# Altium PCB Fri3D_Bot_2018_00.PcbDoc
Units mm, origin at the board's own origin, x right, y up, seen from the top; angles counter-clockwise.
Board outline 118.52 x 46.58 mm, 2 copper layers (Top Layer, Bottom Layer), stack 1.571 mm thick; 52 components, 34 nets, 158 pads, 47 vias.
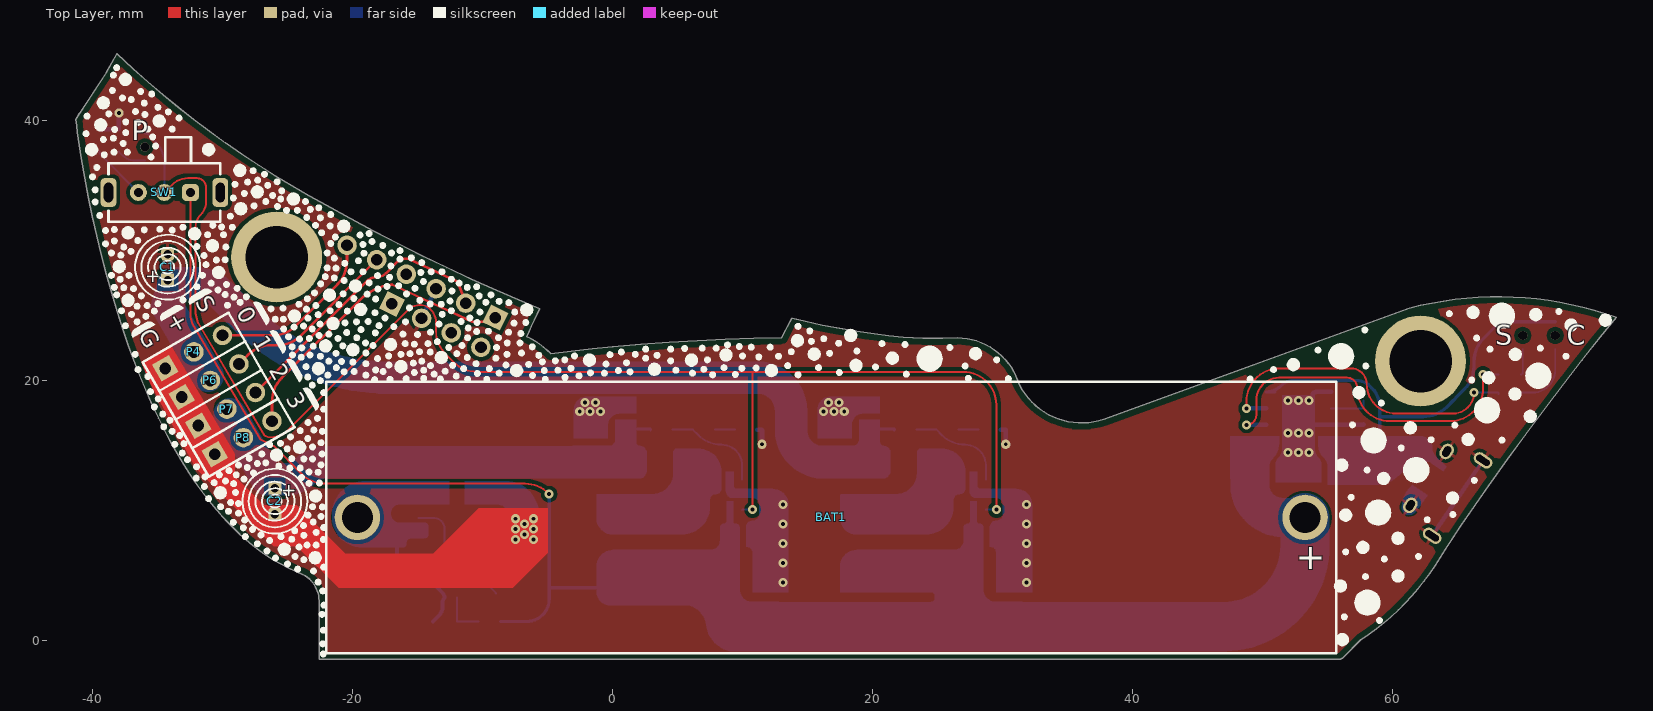
[diagram p0: Top Layer view]
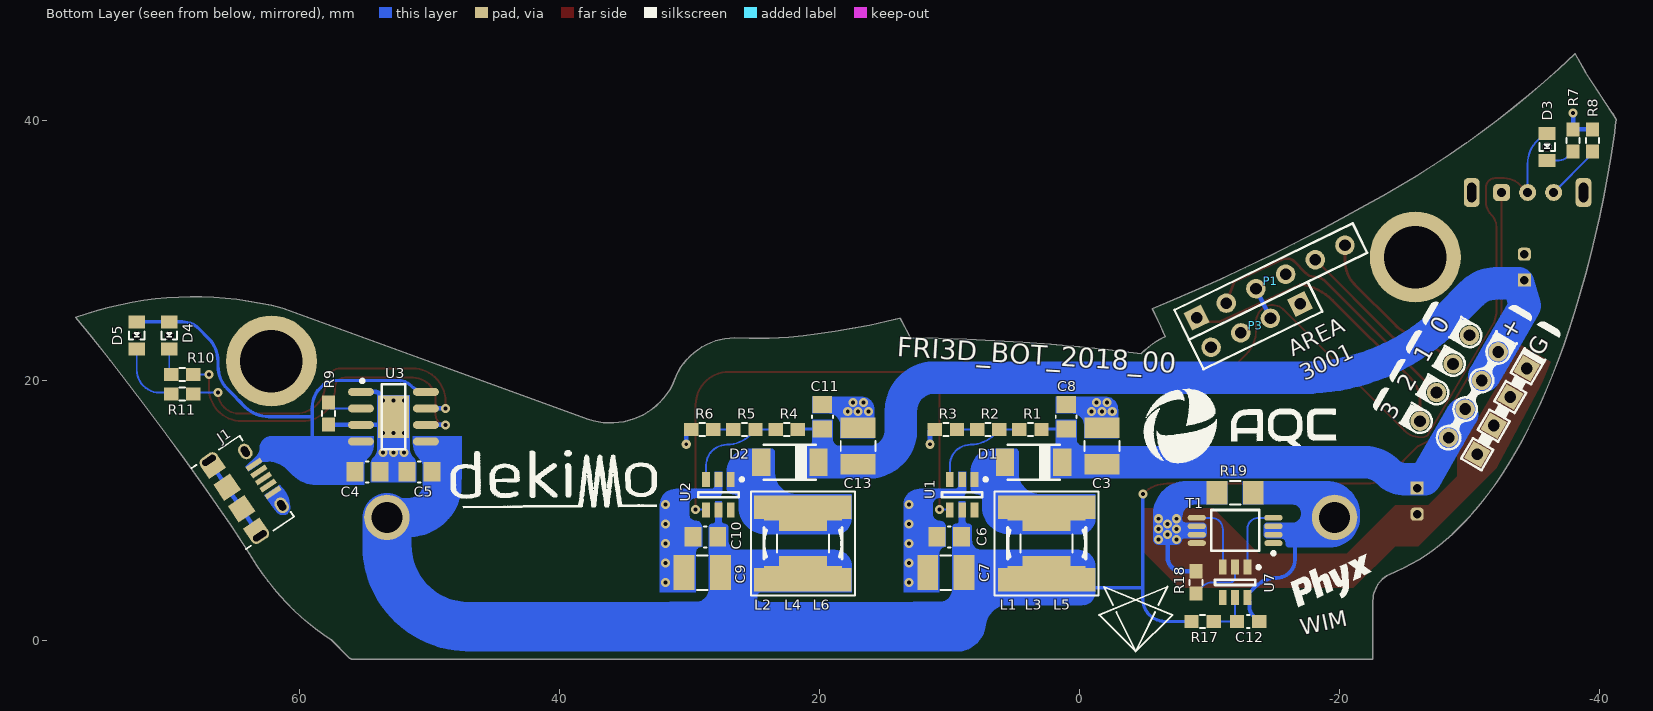
[diagram p1: Bottom Layer view, seen from below]

## Layer stack, top to bottom
Top Solder: solder mask 0.0102, Solder Resist, Dk 3.5
Top Layer: signal copper 0.0356
Dielectric1: core 1.5, FR-4, Dk 4.8
Bottom Layer: signal copper 0.0356
Bottom Solder: solder mask 0.0102, Solder Resist, Dk 3.5

## Board outline
-29.172,8.664 cw(c-11.783,26.088) -32.081,12.161 cw(c-1.757,32.978) -34.957,17.145 cw(c16.004,41.488) -37.654,23.871 cw(c46.959,51.513) -41.119,38.635 cw(c-2.791,44.256) -41.252,39.638 -41.323,40.132 -41.041,40.556 -38.96,43.73 -38.148,45.176 -36.914,44.012 ccw(c14.023,100.405) -22.032,33.512 ccw(c49.651,161.041) -14.671,29.645 ccw(c56.137,173.948) -7.002,26.129 -5.626,25.564 -6.261,24.224 -6.261,24.189 ccw(c3.15,19.485) -6.424,23.848 ccw(c6.212,18.073) -6.614,23.413 cw(c-9.501,17.413) -4.78,22.108 cw(c11.485,-104.937) 0,22.629 cw(c16.581,-160.639) 12.998,23.342 13.28,23.907 13.774,24.824 14.797,24.577 ccw(c29.504,90.84) 20.097,23.619 ccw(c25.928,66.067) 22.353,23.37 ccw(c24.675,50.643) 24.568,23.272 25.379,23.272 26.505,23.312 cw(c26.479,18.347) 31,20.4 ccw(c36.062,22.11) 37.772,17.048 61.264,25.598 cw(c68.093,-0.471) 77.196,24.894 75.961,23.377 ccw(c251.156,-116.184) 73.18,19.813 ccw(c276.316,-136) 67.392,11.961 ccw(c205.621,-85.848) 64.25,7.363 ccw(c89.014,-9.079) 63.842,6.731 63.646,6.419 63.453,6.112 63.263,5.811 cw(c46.965,16.379) 57.544,0.088 56.165,-1.29 cw(c55.9,-1.025) 55.9,-1.4 -22.6,-1.4 -22.6,2.9 ccw(c-24.933,3.046) -23.827,5.106 cw(c-18.2,19.353)

## Design rules (kind name [scope] priority, off if disabled: settings)
BoardOutlineClearance [NOT OnLayer('Top Overlay') AND NOT OnLayer('Bottom Overlay') AND NOT IsText] p1: gap=0.5 ignorepadtopadclearanceinfootprint=FALSE except(0: Arc-SplitContinuation Track-SplitContinuation SMDPad-SplitContinuation THPad-SplitContinuation Via-SplitContinuation Fill-SplitContinuation Poly-SplitContinuation Region-SplitContinuation Text-SplitContinuation)
Clearance Clearance_GND_POLY [InNamedPolygon('B_GND')] p1: gap=0.4 ignorepadtopadclearanceinfootprint=FALSE except(0: Arc-Hole Track-Hole SMDPad-Hole THPad-Hole Via-Hole Fill-Hole Poly-Hole Region-Hole Text-Hole)
Clearance [All] p2: gap=0.15 ignorepadtopadclearanceinfootprint=FALSE except(0: Arc-Hole Track-Hole SMDPad-Hole THPad-Hole Via-Hole Fill-Hole Poly-Hole Region-Hole Text-Hole; 0.3: Arc-Poly Track-Poly SMDPad-Poly THPad-Poly Via-Poly Fill-Poly; 1.1: Poly-Poly)
DiffPairsRouting [All] p1: maxlimit=0.254 minlimit=0.254 mostfreqgap=0.254 toplayer_minwidth=0.381 toplayer_maxwidth=0.381 toplayer_prefwidth=0.381 bottomlayer_minwidth=0.381 bottomlayer_maxwidth=0.381 bottomlayer_prefwidth=0.381 maxuncoupledlength=12.7
HoleSize [All] p1: absolutevalues=TRUE maxlimit=10 minlimit=0.025 maxpercent=80.000 minpercent=20.000
PolygonConnect PolygonConnect_VIA [IsVia] p1: connectstyle=Direct reliefconductorwidth=0.254 reliefentries=4 polygonreliefangle="90 Angle" airgapwidth=0.254
PolygonConnect [All] p2: connectstyle=Relief reliefconductorwidth=0.254 reliefentries=4 polygonreliefangle="90 Angle" airgapwidth=0.254
RoutingVias [All] p1: holewidth=0.3 width=0.7 viastyle="Through Hole" minholewidth=0.3 minwidth=0.2 maxholewidth=0.6 maxwidth=1.2
SilkToSolderMaskClearance SilkscreenOverComponentPads [IsPad] p1: minsilkscreentomaskgap=0.254 clearancetoexposedcopper=TRUE
SolderMaskExpansion [All] p1: expansion=0.05
Width [All] p1: maxlimit=5 minlimit=0.15 preferedwidth=0.25
27 further rules are at their usual default settings.

## Classes and differential pairs
net class 90r: USB.D_n USB.D_p
net class POWER: 3V3_Pi 5V_Pi 5VA 5VB GBAT GND VBAT VUSB
differential pair USB.D: +USB.D_p -USB.D_n

## Components (designator, comment, footprint, x,y, rotation, side; value= is the part's Value field where it differs from the comment)
BAT1 "18650 Battery holder" MPD_BH-18650-PC 16.8,9.5 r0 top locked value=BH-18650-PC
C1 "CAP_POL" C_5x11_2mm -34.25,28.75 r90 top value="100uF 10V"
C2 "CAP_POL" C_5x11_2mm -26,10.75 r270 top value="100uF 10V"
C3 "CAP_CERAMIC" C1210_N -1.75,15 r90 bottom value="22uF 10V"
C4 "CAP_CERAMIC" C0805_N 54.75,13 r180 bottom value="10uF 10V"
C5 "CAP_CERAMIC" C0805_N 50.75,13 r0 bottom value="10uF 10V"
C6 "CAP_CERAMIC" C0805_N 10,8 r0 bottom value="10uF 10V"
C7 "CAP_CERAMIC" C1210_N 10.25,5.25 r0 bottom value="22uF 10V"
C8 "CAP_CERAMIC" C0805_N 1,17.25 r90 bottom value="10uF 10V"
C9 "CAP_CERAMIC" C1210_N 29,5.25 r0 bottom value="22uF 10V"
C10 "CAP_CERAMIC" C0805_N 28.75,8 r0 bottom value="10uF 10V"
C11 "CAP_CERAMIC" C0805_N 19.75,17.25 r90 bottom value="10uF 10V"
C12 "" C0603_N -13,1.5 r180 bottom value="100nF 16V"
C13 "CAP_CERAMIC" C1210_N 17,15 r90 bottom value="22uF 10V"
D1 "TSS83L45 MWG Schottky ULTRAFAST, 3A, 45V" TS_SOD128 3.5,13.75 r180 bottom value="TSS83L45 MWG"
D2 "TSS83L45 MWG Schottky ULTRAFAST, 3A, 45V" TS_SOD128 22.25,13.75 r180 bottom value="TSS83L45 MWG"
D3 "Default 0805 Red LED" LED_0805_RD -36,38 r270 bottom
D4 "Default 0805 Green LED" LED_0805_GR 70,23.5 r270 bottom
D5 "Default 0805 Red LED" LED_0805_RD 72.5,23.5 r270 bottom
J1 "Amphenol FCI 10118194-0001LF Micro USB 1.8A TH Lock" FCI_10118194-0001LF 62.75,12.5 r236 bottom value=10118194-0001LF
L1 "NRS8040T4R7NJGJ" TAI_NRS8040 2.5,7.5 r90 bottom value="4u7H 4A1"
L2 "NRS8040T4R7NJGJ" TAI_NRS8040 21.25,7.5 r90 bottom value="4u7H 4A1"
L3 "VLC6045T-3R3N" IND_6045 2.5,7.5 r90 bottom value=3u3H
L4 "VLC6045T-3R3N" IND_6045 21.25,7.5 r90 bottom value=3u3H
L5 "SWPA4020S4R7MT" SNL_SWPA4020 2.5,7.5 r90 bottom value=4u7H
L6 "SWPA4020S4R7MT" SNL_SWPA4020 21.25,7.5 r90 bottom value=4u7H
P1 "Header 6" HDR1X6 -9.036,24.872 r154 bottom
P3 "Header 4" HDR1X4 -16.998,25.93 r334 bottom
P4 "Header 3" HDR1X3 -34.435,20.966 r30 top
P6 "Header 3" HDR1X3 -33.165,18.767 r30 top
P7 "Header 3" HDR1X3 -31.895,16.567 r30 top
P8 "Header 3" HDR1X3 -30.625,14.367 r30 top
R1 "RESISTOR" R0603_N 3.75,16.25 r0 bottom value=82K
R2 "RESISTOR" R0603_N 7,16.25 r0 bottom value=10K
R3 "RESISTOR" R0603_N 10.25,16.25 r0 bottom value=1K2
R4 "RESISTOR" R0603_N 22.5,16.25 r0 bottom value=82K
R5 "RESISTOR" R0603_N 25.75,16.25 r0 bottom value=10K
R6 "RESISTOR" R0603_N 29,16.25 r0 bottom value=1K2
R7 "RESISTOR" R0603_N -38,38.5 r90 bottom value=1K2
R8 "RESISTOR" R0603_N -39.5,38.5 r90 bottom value=1K2
R9 "RESISTOR" R0603_N 57.75,17.5 r270 bottom value=1K2
R10 "RESISTOR" R0603_N 69,20.5 r180 bottom value=1K2
R11 "RESISTOR" R0603_N 69,19 r180 bottom value=1K2
R17 "RESISTOR" R0603_N -9.5,1.5 r180 bottom value=100R
R18 "RESISTOR" R0603_N -9,4.5 r90 bottom value=1K2
R19 "RESISTOR" R1206 -12,11.4 r0 bottom value=0R
SW1 "mini Switch 1 pole double throw right angle" SK-12D07 -34.5,34.5 r180 top value=SK-12D07
T1 "Dual N-Ch MOSFET Common Drain" TSSOP_8_65P -12,8.5 r0 bottom value=FS8205A
U1 "High Efficiency 1.2MHz 2A Step Up Converter  SX1308" SOT23-6 9,11.25 r270 bottom value=SX1308
U2 "High Efficiency 1.2MHz 2A Step Up Converter  SX1308" SOT23-6 27.75,11.25 r270 bottom value=SX1308
U3 "Single Cell LiIon charger max 1A" SOIC_N_8_TH 52.75,17.25 r180 bottom value=TP4056
U7 "DW01-P single cell lithium protection" SOT23-6 -12,4.5 r270 bottom value=DW01-P

## Footprints (in the part's own frame and the unit in brackets; to place one, negate y for a bottom-side part, rotate by r counter-clockwise, add the part's x,y. Pads: shape width x height; smd on the part's side, far side on the other; paste and mask are expansions set on the pad)
C0603_N [mm] "Low density"
  rect 1.1x1 smd: 1(-0.85,0) 2(0.85,0)
  silkscreen extent -0.1,-0.5 0.1,0.5, body extent -0.8,-0.4 0.8,0.4, height 0.3
C0805_N [mm] "Low density"
  rect 1.3x1.5 smd: 1(-0.95,0) 2(0.95,0)
  silkscreen extent -0.1,-0.8 0.1,0.8, body extent -1,-0.62 1,0.63, height 0.78
C1210_N [mm] "Low density"
  rect 1.6x2.7 smd: 1(-1.4,0) 2(1.4,0)
  silkscreen extent -0.4,-1.34 0.4,1.34, body extent -1.55,-1.25 1.65,1.25, height 1
C_5x11_2mm [mm] "Capacitor, Electrolytic, Radial; Body 5 x 11mm; 2mm pitch"
  rect 1x1 hole 0.65: 1(-1,0)
  rrect50% 1x1 hole 0.65: 2(1,0)
  silkscreen extent -2.5,-2.5 2.5,2.5, body extent -2.5,-2.5 2.5,2.5, height 11
FCI_10118194-0001LF [mm]
  rect 0.4x1.35 smd: 1(-1.3,0) 2(-0.65,0) 3(0,0) 4(0.65,0) 5(1.3,0)
  oval 0.9x1.55 hole 0.5 slot 1.15 at 90 deg: MH1(-3.5,-2.7) MH2(3.5,-2.7)
  rect 1.2x1.55 smd: MH1(-2.9,-2.7) MH2(2.9,-2.7)
  oval 1.25x0.95 hole 0.55 slot 0.85 at 0 deg: MH3(-2.5,0) MH4(2.5,0)
  rect 1.5x1.55 smd: MH3(-1,-2.7) MH4(1,-2.7)
  silkscreen extent -3.75,-4.15 3.75,0.3, body extent -4.03,-5.4 4.02,0.18, height 2.77
HDR1X3 [mm] "Connector; Header; 3 Position"
  rect 1.5x1.5 hole 0.9: 1(0,0)
  round 1.5 hole 0.9: 2(2.54,0) 3(5.08,0)
  silkscreen extent -1.27,-1.27 6.35,1.27, body extent -1.27,-1.23 6.35,1.27, height 8.2
HDR1X4 [mm] "Connector; Header; 4 Position"
  rect 1.5x1.5 hole 0.9: 1(0,0)
  round 1.5 hole 0.9: 2(2.54,0) 3(5.08,0) 4(7.62,0)
  silkscreen extent -1.27,-1.27 8.89,1.27, body extent -1.27,-1.23 8.89,1.27, height 8.2
HDR1X6 [mm] "Connector; Header; 6 Position"
  rect 1.5x1.5 hole 0.9: 1(0,0)
  round 1.5 hole 0.9: 2(2.54,0) 3(5.08,0) 4(7.62,0) 5(10.16,0) 6(12.7,0)
  silkscreen extent -1.27,-1.27 13.97,1.27, body extent -1.27,-1.23 13.97,1.27, height 8.2
IND_6045 [mm] "TDK 6x6mm Inductor 4.5mm height"
  rect 1.2x6 smd: 1(-2.35,0) 2(2.35,0)
  Top Layer region: 0.7,2.1 1.6,3 3.2,3 3.2,-3 1.6,-3 0.7,-2.1
  Top Layer region: -0.7,2.1 -1.6,3 -3.2,3 -3.2,-3 -1.6,-3 -0.7,-2.1
  silkscreen extent -1.2,-3 1.2,3, body extent -3,-3 3,3, height 4.5
LED_0805_GR [mm] "0805 LED GREEN"
  rect 1x1.3 smd: 1(-1.05,0) 2(1.05,0)
  silkscreen extent -0.3,-0.6 0.3,0.6, body extent -1.01,-0.62 1.01,0.63, height 1.1
LED_0805_RD [mm] "0805 LED RED"
  rect 1x1.3 smd: 1(-1.05,0) 2(1.05,0)
  silkscreen extent -0.3,-0.6 0.3,0.6, body extent -1.01,-0.62 1.01,0.63, height 1.1
MPD_BH-18650-PC [mm] "Battery holder for a single 18650 cell"
  round 3.5 hole 2.4: 1(36.45,0) 2(-36.45,0)
  silkscreen extent -38.85,-10.45 38.85,10.45, body extent -39.01,-10.4 38.64,10.4, height 23.37
R0603_N [mm] "Low density"
  rect 1.1x1 smd: 1(-0.85,0) 2(0.85,0)
  silkscreen extent -0.2,-0.5 0.2,0.5, body extent -0.8,-0.41 0.8,0.41, height 0.45
R1206 [mm]
  rect 1.6x1.8 smd: 1(-1.4,0) 2(1.4,0)
  silkscreen extent -0.4,-0.89 0.4,0.89, body extent -1.6,-0.8 1.6,0.8, height 1
SK-12D07 [mm] "SWITCH, SPDT, THT, RA"
  rrect50% 1.2x2.2 hole 0.7 slot 1.5 at 90 deg: 0(-4.3,0) 0(4.3,0)
  rrect50% 1.3x1.3 hole 0.7: 1(-2,0)
  round 1.3 hole 0.7: 2(0,0) 3(2,0)
  silkscreen extent -4.3,-4.25 4.3,2.25, body extent -4.3,-4.25 4.3,2.25, height 4.7
SNL_SWPA4020 [mm] "Sunlord SWPA4020 4x4x2mm inductor"
  rect 1.1x3.7 smd: 1(-1.5,0) 2(1.5,0)
  silkscreen extent -0.7,-2 0.7,2, body extent -2,-2 2,2, height 2.05
SOIC_N_8_TH [mm] "150 mil body width with Exposed Thermal Pad"
  oval 2x0.6 smd: 1(-2.5,1.905) 2(-2.5,0.635) 3(-2.5,-0.635) 4(-2.5,-1.905) 5(2.5,-1.905) 6(2.5,-0.635) 7(2.5,0.635) 8(2.5,1.905)
  rect 2.41x3.3 smd: 9(0,0)
  silkscreen extent -2.53,-2.5 0.9,2.88, body extent -3,-2.45 3,2.45, height 1.75
SOT23-6 [mm] "SOT23, 6-Leads, Body 3,1x3,2mm (max), Pitch 0,95mm, IPC Medium Density"
  rect 1.15x0.6 smd: 1(-1.175,0.95) 2(-1.175,0) 3(-1.175,-0.95) 4(1.175,-0.95) 5(1.175,0) 6(1.175,0.95)
  silkscreen extent -1.3,-1.55 0.2,1.92, body extent -1.5,-1.55 1.5,1.55, height 1.4
TAI_NRS8040 [mm] "Taiyo Yuden 8x8mm Inductor 4mm height - NRS8040 Series"
  rect 1.8x7.5 smd: 1(-2.8,0) 2(2.8,0)
  silkscreen extent -4,-4 4,4, body extent -4,-4 4,4, height 4.25
TS_SOD128 [mm] "SOD128 Taiwan Semiconductor"
  rect 1.4x2.1 smd: 1(2.2,0) 2(-2.2,0)
  silkscreen extent -2,-1.35 2,1.45, body extent -2.6,-1.3 2.6,1.3, height 2.3
TSSOP_8_65P [mm] "TSOP, 8-Leads, Body 3,00x4,40mm, Pitch 0,65mm,  IPC Medium Density"
  oval 1.4x0.45 smd: 1(-2.95,0.975) 2(-2.95,0.325) 3(-2.95,-0.325) 4(-2.95,-0.975) 5(2.95,-0.975) 6(2.95,-0.325) 7(2.95,0.325) 8(2.95,0.975)
  silkscreen extent -3.07,-1.57 1.85,1.87, body extent -3.2,-1.5 3.2,1.5, height 1.2

## Part data
BAT1: library part "18650 Battery holder BH-18650-PC", "=Description", Supplier 1=Digikey
C1 C2: library part "CAP 100uF 10V 5x11mm", "Capacitor electrolyt", Supplier Part Number 1=1902882, Supplier 1=Farnell
C3 C7 C9 C13: library part "CAP # 22uF 10V 1210 X5R", "Capacitor Ceramic"
C4 C5 C6 C8 C10 C11: library part "CAP # 10uF 10V 0805", "Capacitor Ceramic", Supplier Part Number 1=2320859, Supplier 1=Farnell
C12: library part "CAP # 100nF 16V 0603", "Capacitor Ceramic"
D1 D2: library part "Schottky # TSS83L45MWG 3A 45V", "=Description", Supplier Part Number 1=TSS83L45MWGCT-ND, Supplier 1=Digi-key
D3 D5: library part "LED # Red 0805", "=Description", Supplier Part Number 1=2099236, Supplier 1=Farnell
D4: library part "LED # Green 0805", "=Description", Supplier Part Number 1=2099239, Supplier 1=Farnell
J1: library part "USB # Micro B TH Amphenol 10118194-0001LF", Supplier Part Number 1=2668482, Supplier 1=Farnell, Supplier 2=Digi-key, Supplier Part Number 2=609-4618-2-ND
L1 L2: library part "IND # 4u7H 4A1 NRS8040T4R7NJGJ", Supplier Part Number 1=587-2978-1-ND, Supplier 1=Digi-key
L3 L4: library part "IND # 3u3H 6x6mm", Supplier Part Number 1=445-6536-1-ND, Supplier 1=Digi-key
L5 L6: library part "IND # 4u7H SWPA4020", Supplier 1=China, Supplier Part Number 1=SWPA4020S4R7MT
P1: library part "Pin Header 2.54mm 6way"
P3: library part "Pin Header 2.54mm 4way"
P4 P6 P7 P8: library part "Pin Header 2.54mm 3way"
R1 R4: library part "RES # 82K 0603"
R2 R5: library part "RES # 10K 0603", Supplier Part Number 1=2502397, Supplier 1=Farnell
R3 R6 R7 R8 R9 R10 R11 R18: library part "RES # 1K2 0603"
R17: library part "RES # 100R 0603"
R19: library part "RES # 0R 1206"
SW1: library part "SW 1P2T micro RA SK-12D07", Supplier Part Number 1=SK-12D07, Supplier 1=AliExpress
T1: library part "FS8205A Dual N-Ch common Drain for DW01-P", "=Description", Supplier Part Number 1=FS8205A, Supplier 1=AliExpress
U1 U2: library part "PWR # Boost SX1308", "=Description"
U3: library part "CHG # TP4056 LiIon 1A", "=Description", Supplier Part Number 1=TP4056, Supplier 1=Aliexpress
U7: library part "PWR # DW01-P Lithium protection", "=Description", Supplier Part Number 1=DW01-P, Supplier 1=Aliexpress

## Free pads (board coordinates)
  round 0.7 hole 0.7 unplated: 0(-36,38) 0(70,23.5) 0(72.5,23.5)
  round 7 hole 4.8: 0(-25.859,29.528) 0(62.141,21.528)

## Via types
v1: diameter 0.7, hole 0.3, Top Layer to Bottom Layer, 47 vias

## Nets (pads, with @x,y where several pads share a name; then routed paths per layer and width w, separated by ;. In a path a pad name is that pad's centre, name@x,y a point inside that pad or via, vN(x,y) a via of type N, cw(c..) or ccw(c..) an arc to the next point about the centre after c; other vN are vias at no path point)
3V3_AUX: P3.1
5V_EN: D3.1 SW1.2 U1.4 U2.4 | length 115.2
  Top Layer w0.15: SW1.2 -33.895,35.105 cw(c-32.7,33.91) -32.7,35.6 -32,35.6 cw(c-32,34.9) -31.3,34.9 -31.3,33.766 cw(c-32.666,33.766) -31.7,32.8 ccw(c-30.734,31.834) -32.1,31.834 -32.1,25.2 -31.903,24.452 -26.8,15.8 -26.514,15.67 -26.28,15.67 ccw(c-26.28,17.48) -25,16.2 -15.691,25.509 cw(c-14.9,24.718) -14.9,25.837 -14.776,25.837 cw(c-14.776,24.824) -14.06,25.54 -14.01,25.49 cw(c-15,24.5) -13.6,24.5 -13.6,23.852 ccw(c-11.06,23.852) -12.856,22.056 -12.244,21.444 ccw(c-10.448,23.24) -10.448,20.7 10.75,20.7 ; v1(10.75,10.1) 10.75,20.7 ; v1(29.5,10.1) 29.5,18.16 ccw(c26.96,18.16) 26.96,20.7 10.75,20.7
  Bottom Layer w0.15: D3.1 cw(c-36,38.567) -35.659,38.909 -35.244,38.494 cw(c-37.04,36.698) -34.5,36.698 SW1.2 ; U1.4 cw(c9.975,10.075) 9.975,10.1 v1(10.75,10.1) ; U2.4 cw(c28.725,10.075) 28.725,10.1 v1(29.5,10.1)
5VA: C2.1 C3.1 C8.1 D1.1 P7.2 P8.2 R1.1 | length 36
  Bottom Layer w0.25: C8.1 R1.1@2.85,16.3 ; R1.1@2.85,16.3 cw(c2.85,16.25) R1.1 ccw(c2.85,16.25) R1.1@2.85,16.3
  Bottom Layer w2.5: P7.2@-29.457,17.425 P8.2 -26.586,12.451 -25,12.451 ccw(c-25,14.142) -23.804,12.946 -23.744,13.006 cw(c-21.948,11.21) -21.948,13.75 D1.1
5VB: C1.1 C11.1 C13.1 D2.1 P4.2 P6.2 R4.1 | length 70.3
  Bottom Layer w0.25: C11.1 21.6,16.3 cw(c21.6,16.25) R4.1
  Bottom Layer w2.5: P6.2@-31.182,20.411 P4.2 -34.295,25.803 -33.8,27.5 -32.041,27.5 cw(c-32.041,24.96) -30.245,26.756 -28.383,24.894 ccw(c-17.172,36.104) -17.172,20.25 11.172,20.25 cw(c11.172,17.71) 13.712,17.71 13.712,16.212 ccw(c16.175,16.212) 16.175,13.75 D2.1
GBAT: BAT1.2 C12.2 R19.1 T1.2 T1.3 U7.6 | length 10.9
  Bottom Layer w0.3: T1.3 -15.317,8.825 ccw(c-15.317,7.538) -16.603,7.538 -16.603,6.253 ccw(c-15.2,6.253) -15.2,4.85 cw(c-15.2,2.557) -13.578,4.178 -13.109,3.709 cw(c-13.493,3.325) U7.6 ccw(c-12.588,2.963) -13.1,2.963 -13.1,2.6 cw(c-13.945,2.6) -13.348,2.002 C12.2
GND: C1.2 C2.2 C3.2 C4.2 C5.2 C6.2 C7.2 C8.2 C9.2 C10.2 C11.2 C13.2 J1.5 J1.MH1 J1.MH2 J1.MH3 J1.MH4 P1.3 P3.2 P4.1 P6.1 P7.1 P8.1 R3.2 R6.2 R7.2 R8.2 R9.2 R18.2 R19.2 T1.6 T1.7 U1.2 U2.2 U3.1 U3.3 U3.9 | length 27.7
  Bottom Layer w0.35: R8.2 R7.2 v1(-38,40.6) ; P3.2 P1.3 ; R18.2 -7.894,5.35 ccw(c-7.894,6.444) -6.8,6.444 v1(-6.8,8.2) ; R3.2 11.45,16.25 11.475,16.225 v1(11.475,15.133) ; R6.2 30.225,16.25 v1(30.225,15.133) ; U3.1 54.105,19.155 ccw(c54.105,18.875) 53.825,18.875 53.825,18.325 cw(c52.75,18.325) U3.9 53.385,16.615 U3.3 57.715,16.615 R9.2 ; J1.MH2@63.367,8.586 64.429,10.161 65.548,11.819 J1.MH1@66.61,13.394
  other v1: 13.075,4.5 31.825,4.5 13.075,6 31.825,6 13.075,7.5 31.825,7.5 -7.5,7.8 -6.1,7.8 -7.5,8.6 -6.1,8.6 -6.8,9 13.075,9 31.825,9 -7.5,9.4 -6.1,9.4 13.075,10.5 31.825,10.5 51.95,14.5 52.75,14.5 53.55,14.5 51.95,16 52.75,16 53.55,16 -2.55,17.65 -1.75,17.65 -0.95,17.65 16.2,17.65 17,17.65 17.8,17.65 -2.15,18.35 -1.35,18.35 16.6,18.35 17.4,18.35 51.95,18.5 52.75,18.5 53.55,18.5
I2C.SCL: P3.4
I2C.SDA: P3.3
NetC12_1: C12.1 R17.2 U7.5 | length 3.5
  Bottom Layer w0.15: U7.5 -12,1.5 R17.2
NetD1_2: D1.2 L1.2 L3.2 L5.2 U1.1
NetD2_2: D2.2 L2.2 L4.2 L6.2 U2.1
NetD3_2: D3.2 R7.1 | length 2.2
  Bottom Layer w0.15: R7.1 -37.689,37.339 ccw(c-36.75,38.277) -36.75,36.95 D3.2
NetD4_2: D4.2 R10.1 | length 2
  Bottom Layer w0.15: R10.1 ccw(c69.85,20.65) 70,20.65 D4.2
NetD5_2: D5.2 R11.1 | length 5.3
  Bottom Layer w0.15: R11.1 cw(c69.957,19) 69.957,19.107 70.75,19.107 ccw(c70.75,20.857) 72.5,20.857 D5.2
NetR1_2: R1.2 R2.1 U1.3 | length 7.7
  Bottom Layer w0.15: R1.2 R2.1 6.556,15.844 ccw(c8.352,17.64) 8.352,15.1 cw(c8.352,13.502) 9.95,13.502 U1.3
NetR2_2: R2.2 R3.1 | length 1.5
  Bottom Layer w0.15: R2.2 R3.1
NetR4_2: R4.2 R5.1 U2.3 | length 7.7
  Bottom Layer w0.15: R4.2 R5.1 25.306,15.844 ccw(c27.102,17.64) 27.102,15.1 cw(c27.102,13.502) 28.7,13.502 U2.3
NetR5_2: R5.2 R6.1 | length 1.5
  Bottom Layer w0.15: R5.2 R6.1
NetR8_1: R8.1 SW1.3 | length 4.4
  Bottom Layer w0.15: R8.1 ccw(c-39.137,37.65) R8.1@-39.394,37.394 ; R8.1@-39.394,37.394 SW1.3
NetR9_1: R9.1 U3.2 | length 3
  Bottom Layer w0.15: U3.2 57.635,17.885 57.75,18 R9.1@57.75,18.5
NetR10_2: R10.2 U3.6 | length 27.9
  Top Layer w0.15: v1(48.75,16.615) ccw(c48.75,17.365) 49.5,17.365 49.5,18.5 cw(c51.25,18.5) 51.25,20.25 56.5,20.25 cw(c56.5,19.5) 57.25,19.5 57.25,19.447 ccw(c59.79,19.447) 59.79,16.907 64.406,16.907 ccw(c64.406,19.447) 66.946,19.447 v1(66.946,20.5)
  Bottom Layer w0.15: v1(66.946,20.5) R10.2
  Bottom Layer w0.35: v1(48.75,16.615) U3.6
NetR11_2: R11.2 U3.7 | length 25.8
  Top Layer w0.15: v1(48.75,17.885) 48.75,18.426 cw(c51.29,18.426) 51.29,20.966 56.784,20.966 cw(c56.784,19.75) 58,19.75 ccw(c60.25,19.75) 60.25,17.5 64.643,17.5 ccw(c64.643,19.107) v1(66.25,19.107)
  Bottom Layer w0.15: v1(66.25,19.107) 68.043,19.107 cw(c68.043,19) R11.2
  Bottom Layer w0.35: v1(48.75,17.885) U3.7
NetR18_1: R18.1 U7.2 | length 4.3
  Bottom Layer w0.15: U7.2 -12,4.9 ccw(c-11.6,4.9) -11.6,4.5 -10.224,4.5 cw(c-10.224,3.476) -9.5,4.2 -9.035,3.735 cw(c-9.12,3.65) R18.1
NetT1_4: T1.4 U7.1 | length 5.4
  Bottom Layer w0.15: T1.4 -13.8,9.475 cw(c-13.8,8.625) -12.95,8.625 U7.1
NetT1_5: T1.5 U7.3 | length 5.4
  Bottom Layer w0.15: U7.3 -11.05,8.6 cw(c-10.175,8.6) -10.175,9.475 T1.5
PWM.0: P1.6 P4.3 | length 13.6
  Top Layer w0.2: P4.3 -26.173,23.506 ccw(c-26.173,26.046) -24.501,24.134 ccw(c-26.173,26.046) -24.377,24.25 -21.195,27.432 ccw(c-22.991,29.228) -21.079,27.556 ccw(c-22.991,29.228) -20.451,29.228 P1.6
PWM.1: P1.5 P6.3 | length 13.7
  Top Layer w0.2: P6.3 -28.066,22.006 cw(c-26.27,20.21) -26.27,22.75 -25.796,22.75 ccw(c-25.796,25.29) -24,23.494 P1.5
PWM.2: P1.2 P7.3 | length 21.9
  Top Layer w0.2: P7.3 -18.924,27.678 cw(c-18.148,26.902) -18.148,28 ccw(c-18.148,28.961) -17.469,28.281 -16.527,29.223 cw(c-16.1,28.796) -16.1,29.4 -15.741,29.4 -11.929,27.641 P1.2
PWM.3: P1.1 P8.3 | length 23.5
  Top Layer w0.2: P8.3 -26.226,18.422 cw(c-23.686,18.422) -25.482,20.218 -19.506,26.194 cw(c-16.471,23.16) -16.993,27.419 -10.815,24.568 -9.77,24.568 ccw(c-9.77,25.606) P1.1
USB.D_n: J1.2
USB.D_p: J1.3
VBAT: BAT1.1 C5.1 C6.1 C7.1 C9.1 C10.1 L1.1 L2.1 L3.1 L4.1 L5.1 L6.1 R17.1 SW1.1 U1.5 U2.5 U3.5 | length 127.1
  Top Layer w0.15: SW1.1 -32.5,24.9 -32.336,24.379 -27.1,15.5 -26.1,15 -23.944,12.844 ccw(c-22.148,14.64) -22.148,12.1 -6.752,12.1 cw(c-6.752,9.56) -4.956,11.356 v1(-4.9,11.3)
  Bottom Layer w0.25: R17.1 -6.621,1.5 ccw(c-6.621,3.221) -4.9,3.221 -4.9,4.1 ; v1(-4.9,11.3) -4.9,4.1 ; C7.1 cw(c7.7,5.25) 7.7,4.1 -4.9,4.1
  Bottom Layer w3: 49,14.25 49,12.04 ccw(c51.54,12.04) 51.54,9.5 BAT1.1
  Bottom Layer w3.8: 11.04,1.1 47,1.1 ccw(c47,7.35) 53.25,7.35 BAT1.1
VSYS: P1.4
VUSB: C4.1 D4.1 D5.1 J1.1 U3.4 U3.8 | length 35.7
  Bottom Layer w0.25: U3.8@50.923,19.155 U3.8 ccw(c50.25,20.779) 51.398,19.63 ; 51.398,19.631 cw(c52.378,18.65) 52.378,20.037 57.203,20.037 cw(c57.203,18.556) 58.25,19.603 ; U3.4 59,15.345 59,17.25 ; 64.647,18.5 64.141,17.994 ; D5.1 D4.1 69,24.55 ccw(c69,22.729) 67.712,24.017 66.994,23.298 ccw(c68.79,21.502) 66.25,21.502 66.25,21.155 cw(c63.71,21.155) 65.941,19.941 cw(c63.71,21.155) 65.506,19.359 64.141,17.994 ; 58.25,19.603 58.397,19.456 ; 58.25,19.603 58.397,19.456 ; 58.397,19.456 cw(c56.941,18) 59,18 59,17.25 ; 59,17.25 62.345,17.25 ccw(c62.345,19.79) 64.141,17.994
pads on no net: J1.4 SW1.0 T1.1 T1.8 U1.6 U2.6 U7.4

## Polygon pours and split planes (outlines as drawn)
GND on Top Layer "GND_L01_P000" (solid, remove dead copper, pour order 0): -43,46 -43,-2 79,-2 79,27 -6.444,27 -25.444,46

## Keep-outs
Keep-Out Layer:
  text ".Layer_Name" at 275.5,-49 h3.5

## Other copper
Top Layer:
  region net GND: -34,22.744 -29.1,14.4 -29.1,12.66 -26.867,10.427 -24.3,10.427 -20.573,6.7 -13.8,6.7 -10.3,10.2 -5,10.2 -5,6.8 -7.7,4.1 -21.1,4.1 -24.3,7.3 -26.1,7.3 -32.1,13.3 -35.586,19.813 -36.275,21.488
  region: -11.2,15.3
  text ".Layer_Name" at 275.5,-49 h3.5
Bottom Layer:
  region net VBAT: 24.5,3.75 cw(c24.5,3.5) 24.75,3.5 24.75,3.25 cw(c24.5,3.25) 24.5,3 24.5,2.75 25.25,2.75 25.25,4 24.5,4
  region net VBAT: 17.5,3.75 25,3.75 25,-0.8 31.5,-0.8 31.5,3 29.5,3 cw(c29.5,4) 28.5,4 28.5,5 17.5,5
  region net VBAT: -1.25,3.75 ccw(c-0.25,3.75) -0.25,2.75 5.461,2.75 cw(c5.461,1) 7.211,1 ccw(c9.547,1.536) 9.011,-0.8 12.75,-0.8 12.75,3 10.75,3 cw(c10.75,4) 9.75,4 9.75,5 -1.25,5
  region net 5VB: 18.95,17 18.95,15.543 cw(c18.407,15.543) 18.407,15 15.65,15 15.65,12.5 20.769,12.5 ccw(c20.769,13.081) 21.35,13.081 21.35,14.5 ccw(c20.85,14.5) 20.85,15 cw(c20.85,15.3) 20.55,15.3 20.55,17
  region net 5VA: 0.2,17 0.2,15.543 cw(c-0.343,15.543) -0.343,15 -3.1,15 -3.1,12.5 2.019,12.5 ccw(c2.019,13.081) 2.6,13.081 2.6,14.5 ccw(c2.1,14.5) 2.1,15 cw(c2.1,15.3) 1.8,15.3 1.8,17
  region net GND: 20.55,18.8 16.749,18.8 ccw(c16.749,17.801) 15.75,17.801 15.75,15.6 18.375,15.6 18.375,16.625 cw(c19.3,16.575) 19.35,17.5 20.55,17.5
  region net GND: 1.8,18.8 -2.001,18.8 ccw(c-2.001,17.801) -3,17.801 -3,15.6 -0.375,15.6 -0.375,16.625 cw(c0.55,16.575) 0.6,17.5 1.8,17.5
  region net GND: 10.75,3.75 10.75,6.75 ccw(c10.25,6.75) 10.25,7.25 10.25,8.75 cw(c10.75,8.75) 10.75,9.25 ccw(c10.75,9.75) 11.25,9.75 11.25,10.5 ccw(c10.75,10.5) 10.75,11 9.2,11 cw(c9.2,11.5) 8.7,11.5 8.7,13 9.303,13 9.303,11.947 ccw(c9.523,11.92) 9.496,11.7 12.3,11.7 cw(c12.3,10.5) 13.5,10.5 13.5,3.75
  region net VBAT: -1.25,3.75 -1.25,5.75 cw(c0,5.75) 0,7 7.5,7 ccw(c7.5,7.75) 8.25,7.75 8.25,8.75 cw(c8.5,8.75) 8.5,9 ccw(c8.5,9.25) 8.75,9.25 8.75,10.75 9.25,10.75 9.25,9.25 ccw(c9.5,9.25) 9.5,9 cw(c9.5,8.75) 9.75,8.75 9.75,3.75
  region net NetD1_2: 8.358,12.8 8.358,12.992 ccw(c6.55,12.992) 6.55,14.8 4.95,14.8 ccw(c4.95,14.5) 4.65,14.5 4.65,12.9 cw(c3.05,12.9) 3.05,11.3 -1.15,11.3 ccw(c-1.15,11.2) -1.25,11.2 -1.25,9.4 ccw(c-0.05,9.4) -0.05,8.2 5.35,8.2 ccw(c5.35,10.3) 7.45,10.3 7.45,10.8 cw(c7.95,10.8) 7.95,11.3 ccw(c7.95,11.7) 8.35,11.7 8.35,11.8
  region net NetD2_2: 27.108,12.8 27.108,12.992 ccw(c25.3,12.992) 25.3,14.8 23.7,14.8 ccw(c23.7,14.5) 23.4,14.5 23.4,12.9 cw(c21.8,12.9) 21.8,11.3 17.6,11.3 ccw(c17.6,11.2) 17.5,11.2 17.5,9.4 ccw(c18.7,9.4) 18.7,8.2 24.1,8.2 ccw(c24.1,10.3) 26.2,10.3 26.2,10.8 cw(c26.7,10.8) 26.7,11.3 ccw(c26.7,11.7) 27.1,11.7 27.1,11.8
  region net GND: -11.4,12.3 -8.24,12.3 cw(c-8.24,9.76) -5.7,9.76 -5.7,9.259 ccw(c-5.881,9.259) -5.881,9.44 -7.9,9.44 ccw(c-8.961,9.44) -8.961,10.501 -11.4,10.501
  region net GBAT: -12.6,10.5 -16.4,10.5 ccw(c-16.4,9.8) -17.1,9.8 -18.653,9.8 -18.792,9.76 -21.6,9.76 cw(c-19.06,9.76) -19.06,12.3 -12.6,12.3
  region net GND: 29.5,3.75 29.5,6.75 ccw(c29,6.75) 29,7.25 29,8.75 cw(c29.5,8.75) 29.5,9.25 ccw(c29.5,9.75) 30,9.75 30,10.5 ccw(c29.5,10.5) 29.5,11 27.95,11 cw(c27.95,11.5) 27.45,11.5 27.45,13 28.053,13 28.053,11.947 ccw(c28.273,11.92) 28.246,11.7 31.05,11.7 cw(c31.05,10.5) 32.25,10.5 32.25,3.75
  region net VBAT: 17.5,3.75 17.5,5.75 cw(c18.75,5.75) 18.75,7 26.25,7 ccw(c26.25,7.75) 27,7.75 27,8.75 cw(c27.25,8.75) 27.25,9 ccw(c27.25,9.25) 27.5,9.25 27.5,10.75 28,10.75 28,9.25 ccw(c28.25,9.25) 28.25,9 cw(c28.25,8.75) 28.5,8.75 28.5,3.75
  region net GND: 51,12.2 51,13.617 cw(c51.683,13.617) 51.2,14.1 ccw(c50.476,14.824) 51.5,14.824 51.5,18.9 54,18.9 54,14.811 ccw(c55.008,14.818) 54.3,14.1 cw(c53.817,13.617) 54.5,13.617 54.5,12.2
  region net GND: -9.5,9.1 ccw(c-9.5,8.8) -9.8,8.8 -9.8,8.2 ccw(c-9.5,8.2) -9.5,7.9 -8.1,7.9 cw(c-8.1,7.682) -7.882,7.682 ccw(c-7.5,7.8) -7.5,7.4 -6.1,7.4 ccw(c-6.1,7.8) -5.7,7.8 -5.7,9.4 ccw(c-6.1,9.4) -6.1,9.8 -7.5,9.8 ccw(c-7.5,9.4) -7.9,9.4 cw(c-8.2,9.4) -8.2,9.1 -8.4,9.1
  region net GBAT: -14.475,9.1 cw(c-14.475,8.825) -14.2,8.825 -14.2,8.2 cw(c-14.5,8.2) -14.5,7.9 -15.5,7.9 ccw(c-15.493,7.508) -15.885,7.5 cw(c-16.155,7.47) -16.125,7.2 -19.3,7.2 cw(c-19.3,9.5) -21.6,9.5 cw(c-19.678,9.5) -19.678,11.422 -18.722,11.422 cw(c-18.722,9.8) -17.1,9.8 ccw(c-16.4,9.8) -16.4,9.1
  region net GND: 62.7,11.2 61.5,12 61.336,11.836 ccw(c62.873,10.3) 60.7,10.3 60.7,10.283 ccw(c61.383,10.283) 60.9,9.8 ccw(c61.141,10.041) 61.141,9.7 61.3,9.7 ccw(c61.3,10.183) 61.641,9.841 61.9,10.1
  region net VUSB: 54.25,15.207 ccw(c55.957,15.207) 54.75,14 cw(c54.146,13.396) 55,13.396 55,12 57,12 58.698,12 ccw(c58.698,14.54) 60.494,12.744 60.956,13.206 cw(c62.387,11.776) 62.387,13.799 62.627,13.799 cw(c62.627,13.271) 63,13.644 63.9,13.039 64.148,13.396 63.286,14.258 cw(c63.902,14.874) 63.031,14.874 ccw(c62.155,14.874) 62.155,15.75 57.246,15.75 ccw(c57.244,15.244) 57.244,15.75 54.25,15.75
  region net VBAT: 51.25,15.75 51.25,15.207 cw(c49.543,15.207) 50.75,14 ccw(c51.353,13.396) 50.5,13.396 50.5,12 48,12 cw(c48,12.5) 47.5,12.5 47.5,15.75
  region: 17.5,3.75
  text ".Layer_Name" at 275.5,-49 h3.5

## Silkscreen, mask and mechanical layers (free items; w line width, h text height)
Top Overlay:
  drawing of 595 lines, arcs and shapes, not listed
  text "P" at -37.025,38 h2.6
  text "S" at -32.552,25.864 h2.2 r300
  text "0" at -29.41,25.022 h2.2 r300
  text "+" at -34.752,24.594 h2.2 r300
  text "G" at -36.951,23.324 h2.2 r300
  text "1" at -28.14,22.823 h2.2 r300
  text "S" at 67.875,22.3 h2.6
  text "C" at 73.375,22.3 h2.6
  text "2" at -26.87,20.623 h2.2 r300
  text "3" at -25.6,18.423 h2.2 r300
  text ".Layer_Name" at 275.5,-49 h3.5
Bottom Overlay:
  drawing of 123 lines, arcs and shapes, not listed
  text "0" at -28.41,23.29 h2.2 r300
  text "+" at -33.752,22.862 h2.2 r300
  text "G" at -35.951,21.592 h2.2 r300
  text "FRI3D_BOT_2018_00" at 14.075,21.4 h2.6 r3.41
  text "1" at -27.14,21.091 h2.2 r300
  text "AREA / 3001" at -17.55,19.575 h2.1 r334
  text "2" at -25.87,18.891 h2.2 r300
  text "3" at -24.6,16.691 h2.2 r300
  text "WIM" at -17.25,0 h2.1 r348
  text ".Layer_Name" at 275.5,-49 h3.5
Top Paste:
  text ".Layer_Name" at 275.5,-49 h3.5
Bottom Paste:
  text ".Layer_Name" at 275.5,-49 h3.5
Top Solder:
  text ".Layer_Name" at 275.5,-49 h3.5
Bottom Solder:
  text ".Layer_Name" at 275.5,-49 h3.5
Drill Guide:
  text ".Layer_Name" at 275.5,-49 h3.5
3D Symbols:
  text ".Layer_Name" at 275.5,-49 h3.5
Outline:
  the board outline again, w0.1
Comments:
  lines w0.1: -25.859,21.528 -22.042,-1.478 55.658,-1.478 62.141,21.528
  text ".Layer_Name" at 275.5,-49 h3.5
Fabrication:
  text ".Layer_Name" at 275.5,-49 h3.5
Placebound Top:
  text ".Layer_Name" at 275.5,-49 h3.5
Placebound Bottom:
  text ".Layer_Name" at 275.5,-49 h3.5
Frame:
  drawing of 15 lines, arcs and shapes, not listed
  text "Document" at 271,-34 h2
  text ".PCB_TITLE" at 272.5,-39.5 h4
  text "Layer Name" at 271,-44 h2
  text "Date" at 271,-54 h2
  text "Rev" at 311,-54 h2
  text ".Print_Date" at 274,-59.5 h3.5
  text ".PCB_REV" at 315.5,-59.5 h4
  text "Desginer" at 221,-64 h2
  text "Document" at 271,-64 h2
  text ".Pcb_File_Name_No_Path" at 272.5,-69 h1.5
  text ".PCB_ENGINEER" at 225.5,-69.5 h4
Assembly Top:
  text ".Layer_Name" at 275.5,-49 h3.5
Assembly Bottom:
  lines w0.15: 56,6 ccw(c55,6) 55,7 32,7 ccw(c32,6) 31,6 31,0 ccw(c32,0) 32,-1 55,-1 ccw(c55,0) 56,0 56,6 ; 56,6 56,6
  text "LABEL" at 56,-1 h2
  text ".Layer_Name" at 275.5,-49 h3.5
Drill Drawing:
  circle w0.15: c113.388,28.444 r0.267
  circle w0.15: c113.388,28.444 r0.444
  circle w0.15: c113.388,20.444 r0.444
  lines w0.15: 112.141,19.4 297.729,19.4 ; 112.141,39.4 297.729,39.4 ; 119.54,17.4 119.54,41.4 ; 126.771,17.4 126.771,41.4 ; 142.4,17.4 142.4,41.4 ; 149.198,17.4 149.198,41.4 ; 159.036,17.4 159.036,41.4 ; 179.063,17.4 179.063,41.4 ; 186.981,17.4 186.981,41.4 ; 201.543,17.4 201.543,41.4 ; 216.906,17.4 216.906,41.4 ; 228.343,17.4 228.343,41.4 ; 246.177,17.4 246.177,41.4 ; 264.012,17.4 264.012,41.4 ; 278.974,17.4 278.974,41.4 ; 112.141,17.4 297.729,17.4 297.729,41.4 112.141,41.4 112.141,17.4 ; 112.944,22 113.833,22 113.833,22.889 112.944,22.889 112.944,22 ; 112.944,24.222 113.166,24.222 113.166,24 113.611,24 113.611,24.222 113.833,24.222 113.833,24.667 113.611,24.667 113.611,24.889 113.166,24.889 113.166,24.667 112.944,24.667 112.944,24.222 ; 112.944,26.889 113.833,26.889 113.388,26 112.944,26.889 ; 112.944,30 112.944,30.222 113.166,30.444 112.944,30.667 112.944,30.889 113.166,30.889 113.388,30.667 113.611,30.889 113.833,30.889 113.833,30.667 113.611,30.444 113.833,30.222 113.833,30 113.611,30 113.388,30.222 113.166,30 112.944,30 ; 112.944,32 113.833,32 113.833,32.889 112.944,32.889 112.944,32 ; 112.944,34.444 113.388,34 113.833,34.444 113.388,34.889 112.944,34.444 ; 112.944,36 113.388,36.222 113.833,36 113.611,36.444 113.833,36.889 113.388,36.667 112.944,36.889 113.166,36.444 112.944,36 ; 112.944,38.222 113.166,38.222 113.388,38 113.611,38.222 113.833,38.222 113.611,38.444 113.833,38.667 113.611,38.667 113.388,38.889 113.166,38.667 112.944,38.667 113.166,38.444 112.944,38.222 ; 113.122,32.178 113.655,32.178 113.655,32.711 113.122,32.711 113.122,32.178
  text "Symbol" at 113.341,40 h0.96
  text "Count" at 120.14,40 h0.96
  text "Hole Size" at 127.371,40 h0.96
  text "Plated" at 143,40 h0.96
  text "Hole Type" at 149.798,40 h0.96
  text "Drill Layer Pair" at 159.636,40 h0.96
  text "Via/Pad" at 179.663,40 h0.96
  text "Pad Shape" at 187.581,40 h0.96
  text "Template" at 202.143,40 h0.96
  text "Description" at 217.506,40 h0.96
  text "Hole Tolerance (+)" at 228.943,40 h0.96
  text "Hole Tolerance (-)" at 246.777,40 h0.96
  text "Hole Length" at 264.612,40 h0.96
  text "Routed Path Length" at 279.574,40 h0.96
  text "2" at 120.14,38 h0.8
  text "0,500mm (19,69mil)" at 127.371,38 h0.8
  text "PTH" at 143,38 h0.8
  text "Slot" at 149.798,38 h0.8
  text "Top Layer - Bottom Layer" at 159.636,38 h0.8
  text "Pad" at 179.663,38 h0.8
  text "Rounded" at 187.581,38 h0.8
  text "r155_90h50_115r100" at 202.143,38 h0.8
  text "1,150mm (45,28mil)" at 264.612,38 h0.8
  text "0,650mm (25,59mil)" at 279.574,38 h0.8
  text "2" at 120.14,36 h0.8
  text "0,550mm (21,65mil)" at 127.371,36 h0.8
  text "PTH" at 143,36 h0.8
  text "Slot" at 149.798,36 h0.8
  text "Top Layer - Bottom Layer" at 159.636,36 h0.8
  text "Pad" at 179.663,36 h0.8
  text "Rounded" at 187.581,36 h0.8
  text "r125_95h55_85r100" at 202.143,36 h0.8
  text "0,850mm (33,47mil)" at 264.612,36 h0.8
  text "0,300mm (11,81mil)" at 279.574,36 h0.8
  text "2" at 120.14,34 h0.8
  text "0,700mm (27,56mil)" at 127.371,34 h0.8
  text "PTH" at 143,34 h0.8
  text "Slot" at 149.798,34 h0.8
  text "Top Layer - Bottom Layer" at 159.636,34 h0.8
  text "Pad" at 179.663,34 h0.8
  text "Rounded Rectangle" at 187.581,34 h0.8
  text "r220_120h70_150r50" at 202.143,34 h0.8
  text "1,500mm (59,06mil)" at 264.612,34 h0.8
  text "0,800mm (31,50mil)" at 279.574,34 h0.8
  text "2" at 120.14,32 h0.8
  text "2,400mm (94,49mil)" at 127.371,32 h0.8
  text "PTH" at 143,32 h0.8
  text "Round" at 149.798,32 h0.8
  text "Top Layer - Bottom Layer" at 159.636,32 h0.8
  text "Pad" at 179.663,32 h0.8
  text "Rounded" at 187.581,32 h0.8
  text "c350h240" at 202.143,32 h0.8
  text "-" at 264.612,32 h0.8
  text "-" at 279.574,32 h0.8
  text "2" at 120.14,30 h0.8
  text "4,800mm (188,98mil)" at 127.371,30 h0.8
  text "PTH" at 143,30 h0.8
  text "Round" at 149.798,30 h0.8
  text "Top Layer - Bottom Layer" at 159.636,30 h0.8
  text "Pad" at 179.663,30 h0.8
  text "Rounded" at 187.581,30 h0.8
  text "c700h480" at 202.143,30 h0.8
  text "-" at 264.612,30 h0.8
  text "-" at 279.574,30 h0.8
  text "3" at 120.14,28 h0.8
  text "0,700mm (27,56mil)" at 127.371,28 h0.8
  text "NPTH" at 143,28 h0.8
  text "Round" at 149.798,28 h0.8
  text "Top Layer - Bottom Layer" at 159.636,28 h0.8
  text "Pad" at 179.663,28 h0.8
  text "Rounded" at 187.581,28 h0.8
  text "c70hn70" at 202.143,28 h0.8
  text "-" at 264.612,28 h0.8
  text "-" at 279.574,28 h0.8
  text "3" at 120.14,26 h0.8
  text "0,700mm (27,56mil)" at 127.371,26 h0.8
  text "PTH" at 143,26 h0.8
  text "Round" at 149.798,26 h0.8
  text "Top Layer - Bottom Layer" at 159.636,26 h0.8
  text "Pad" at 179.663,26 h0.8
  text "(Mixed)" at 187.581,26 h0.8
  text "(Mixed)" at 202.143,26 h0.8
  text "-" at 264.612,26 h0.8
  text "-" at 279.574,26 h0.8
  text "4" at 120.14,24 h0.8
  text "0,650mm (25,59mil)" at 127.371,24 h0.8
  text "PTH" at 143,24 h0.8
  text "Round" at 149.798,24 h0.8
  text "Top Layer - Bottom Layer" at 159.636,24 h0.8
  text "Pad" at 179.663,24 h0.8
  text "(Mixed)" at 187.581,24 h0.8
  text "(Mixed)" at 202.143,24 h0.8
  text "-" at 264.612,24 h0.8
  text "-" at 279.574,24 h0.8
  text "22" at 120.14,22 h0.8
  text "0,900mm (35,43mil)" at 127.371,22 h0.8
  text "PTH" at 143,22 h0.8
  text "Round" at 149.798,22 h0.8
  text "Top Layer - Bottom Layer" at 159.636,22 h0.8
  text "Pad" at 179.663,22 h0.8
  text "(Mixed)" at 187.581,22 h0.8
  text "(Mixed)" at 202.143,22 h0.8
  text "-" at 264.612,22 h0.8
  text "-" at 279.574,22 h0.8
  text "47" at 120.14,20 h0.8
  text "0,300mm (11,81mil)" at 127.371,20 h0.8
  text "PTH" at 143,20 h0.8
  text "Round" at 149.798,20 h0.8
  text "Top Layer - Bottom Layer" at 159.636,20 h0.8
  text "Via" at 179.663,20 h0.8
  text "Rounded" at 187.581,20 h0.8
  text "v70h30m60" at 202.143,20 h0.8
  text "-" at 264.612,20 h0.8
  text "-" at 279.574,20 h0.8
  text "89 Total" at 120.14,18 h0.8
  text "Slot definitions :" at 113.341,16.034 h0.8
  text "Routed Path Length" at 127.157,16.034 h0.8
  text "= Calculated from tool start centre position to tool end centre position." at 141.906,16.034 h0.8
  text "Hole Length" at 127.157,14.667 h0.8
  text "= Routed Path Length + Tool Size = Slot length as defined in the PCB layout" at 136.441,14.667 h0.8
  text ".Layer_Name" at 275.5,-49 h3.5

## Dimensions
-22.6,-1.4 to -19.65,9.5 on Drill Drawing
-19.65,9.5 to -22.6,-1.4 on Drill Drawing
77.196,24.894 to -41.041,40.556 on Fabrication
-22.6,-1.4 to -38.148,45.176 on Fabrication

## Text inside footprints (layer, text, board x,y; h text height)
BAT1: Assembly Top "+" at 52.55,5.5 h2; Top Overlay "+" at 52.55,5.5 h2
C1: Assembly Top "+" at -35.85,26.25 h1 r90; Top Overlay "+" at -34.925,27.425 h1 r90
C2: Assembly Top "+" at -24.4,13.25 h1 r270; Top Overlay "+" at -25.375,12.125 h1 r270
J1: Comments "PCB EDGE" at 67.68,11.225 h0.5 r56